# Altium PCB STC16.PcbDoc
Units mil, origin at the board's own origin, x right, y up, seen from the top; angles counter-clockwise.
Board outline 3170 x 2665 mil, 4 copper layers (Top01, GND02, PWR03, Bottom04), stack 23.754 mil thick; 82 components, 84 nets, 349 pads, 132 vias.
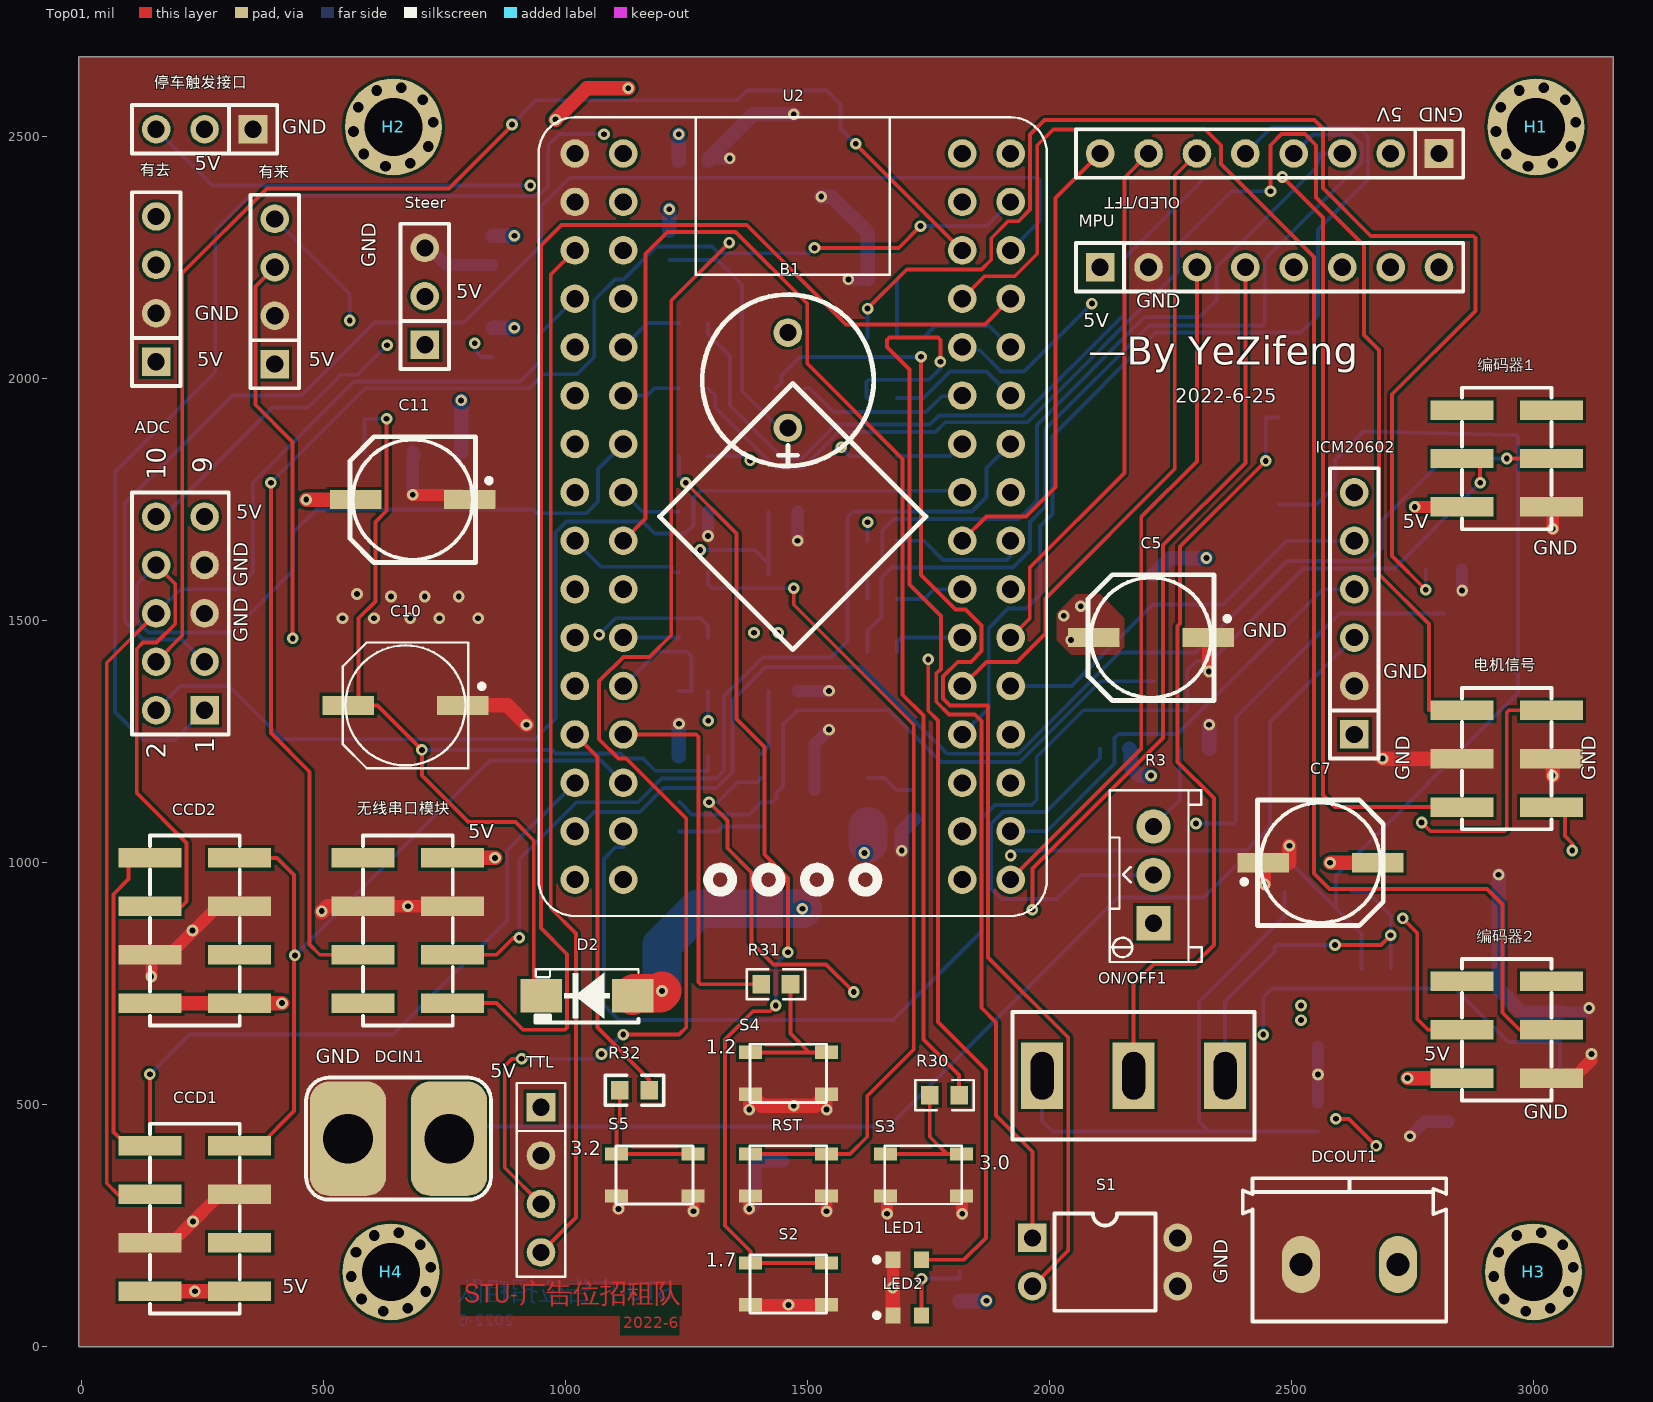
[diagram p0: Top01 view]
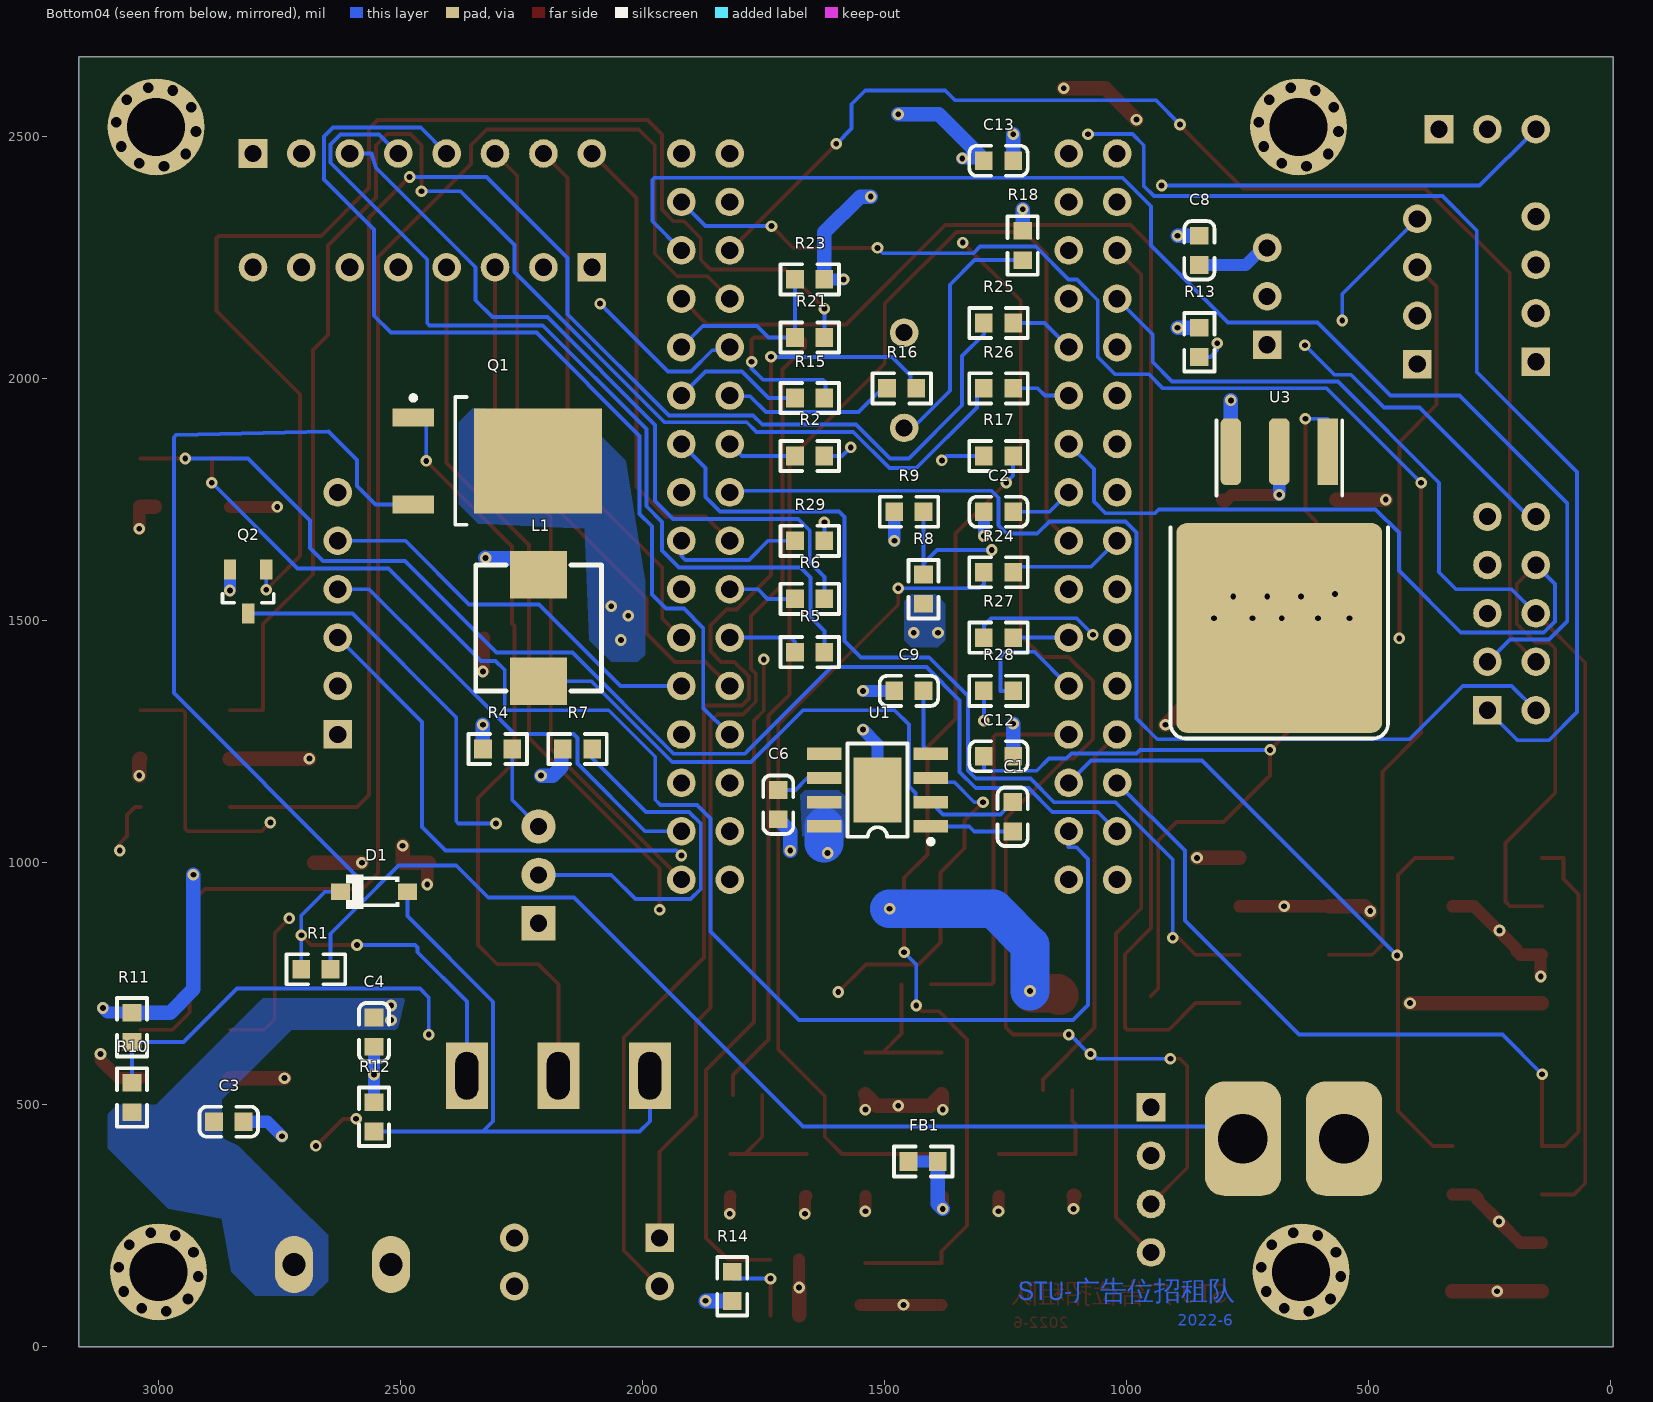
[diagram p1: Bottom04 view, seen from below]
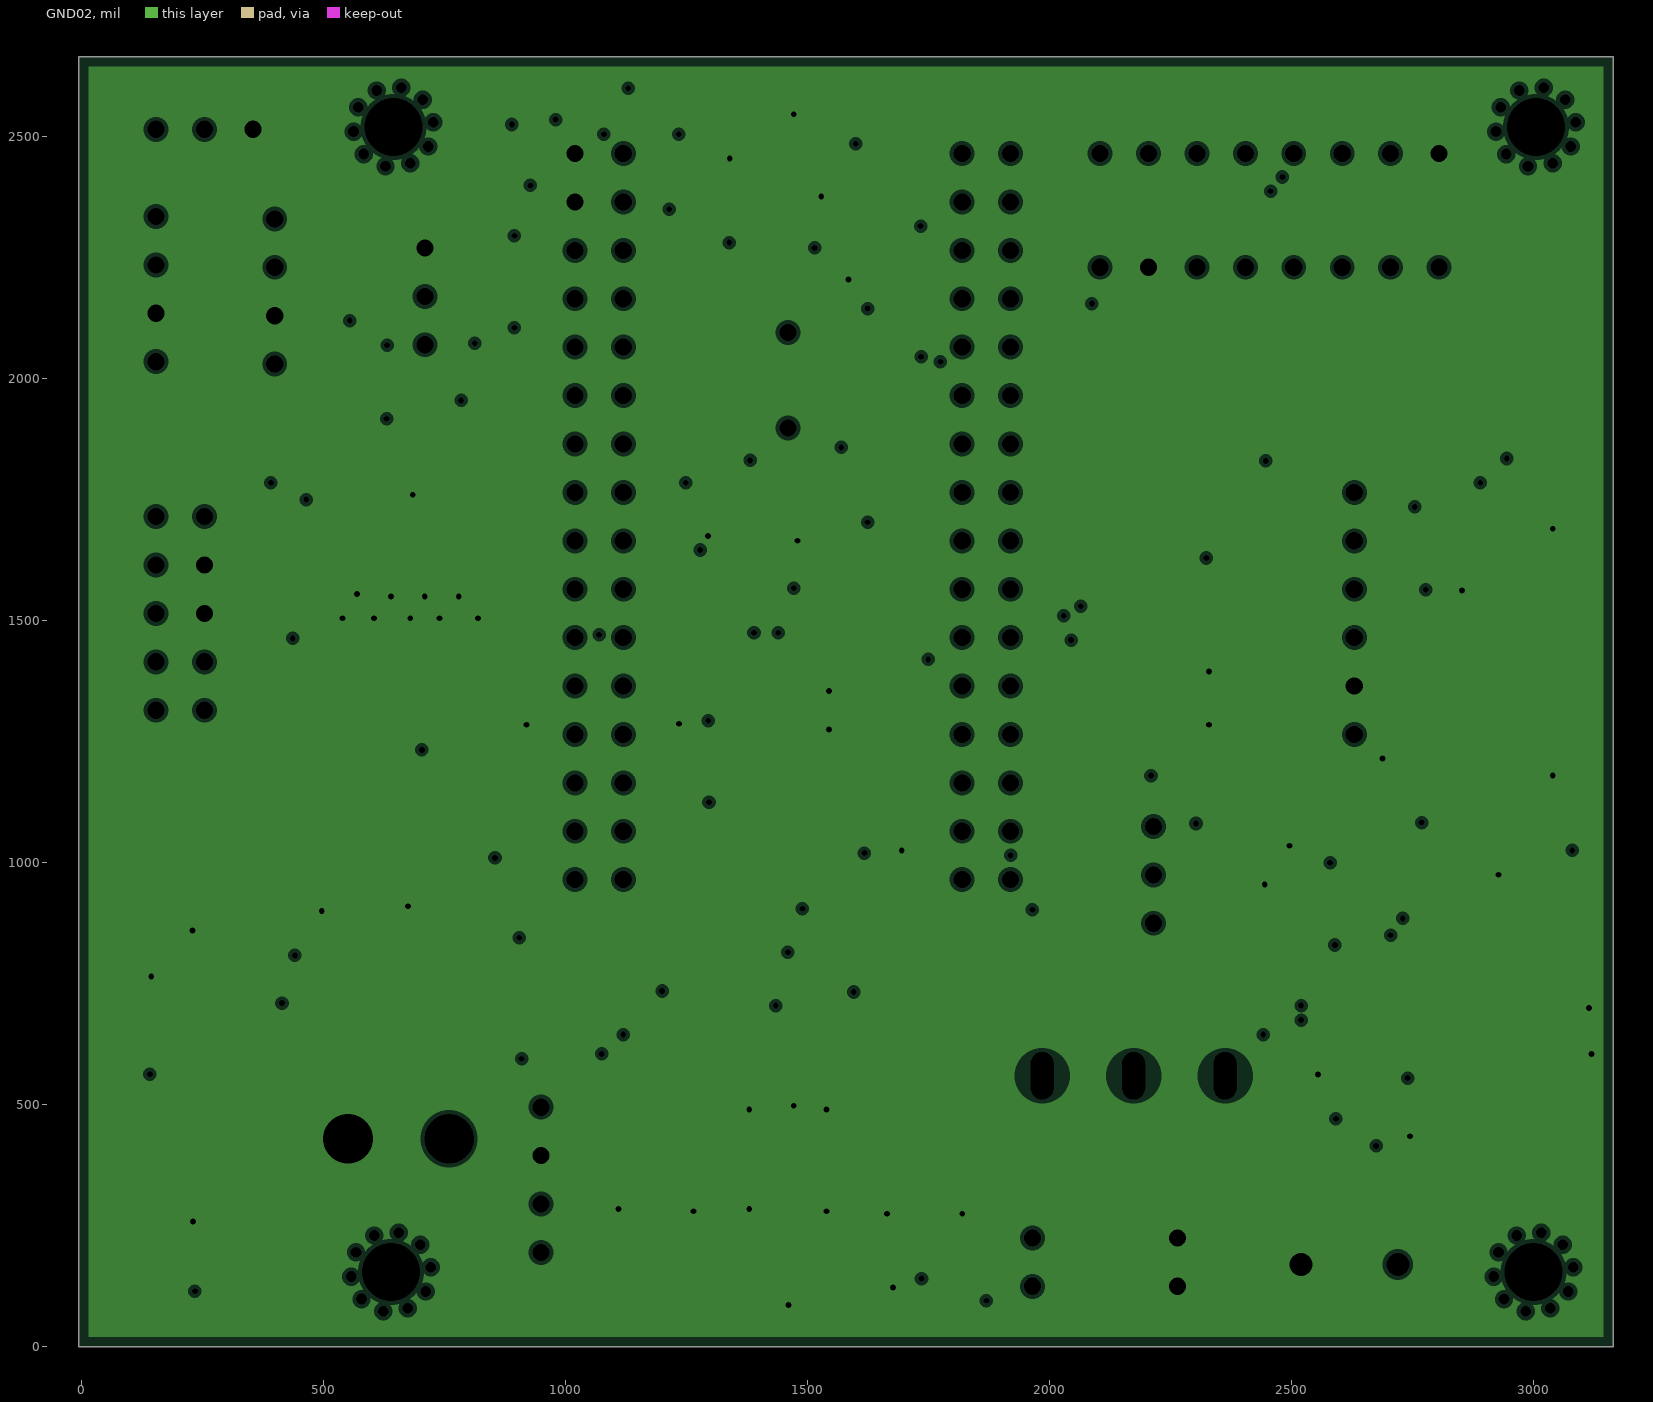
[diagram p2: GND02, clearances drawn from the general rule]
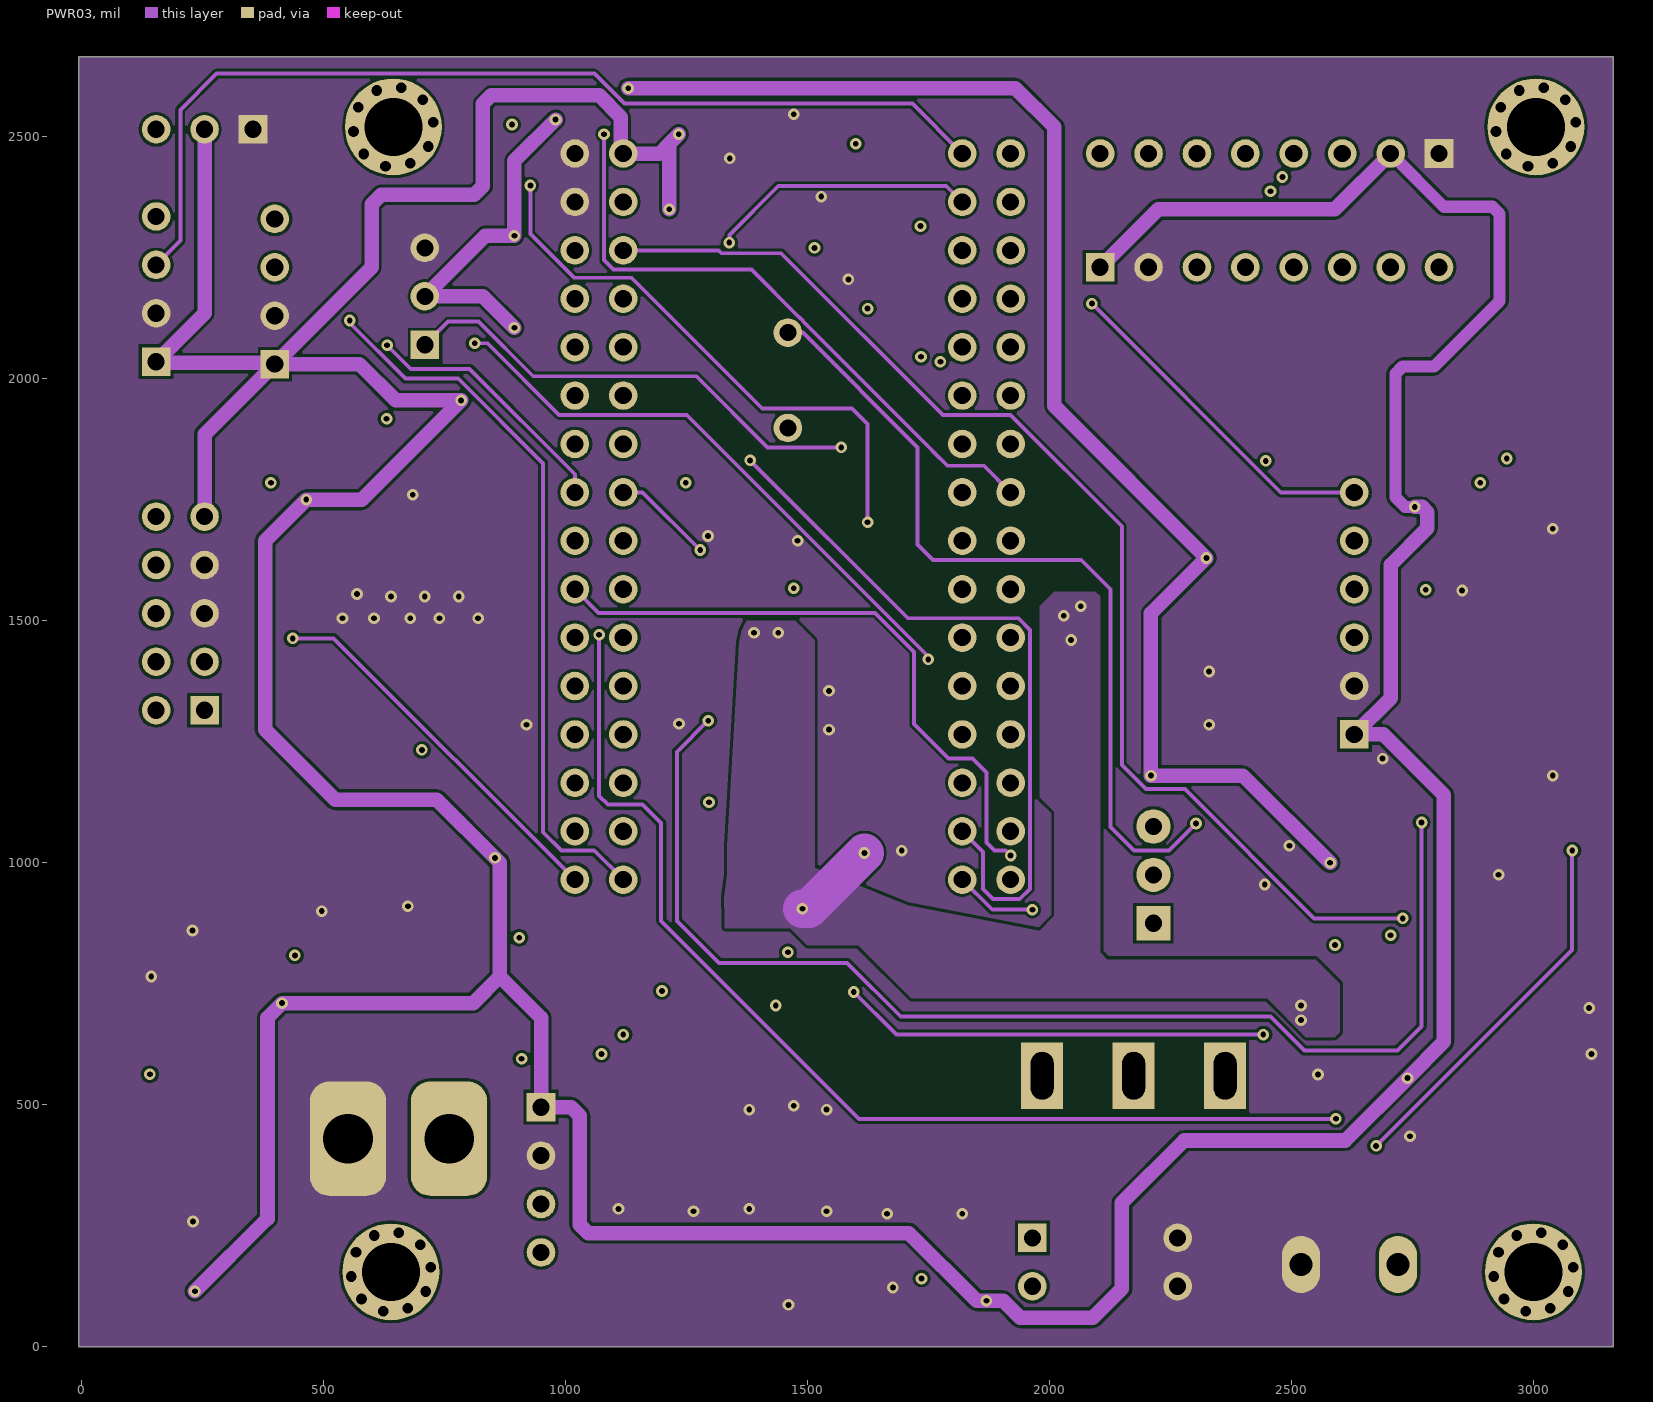
[diagram p3: PWR03]
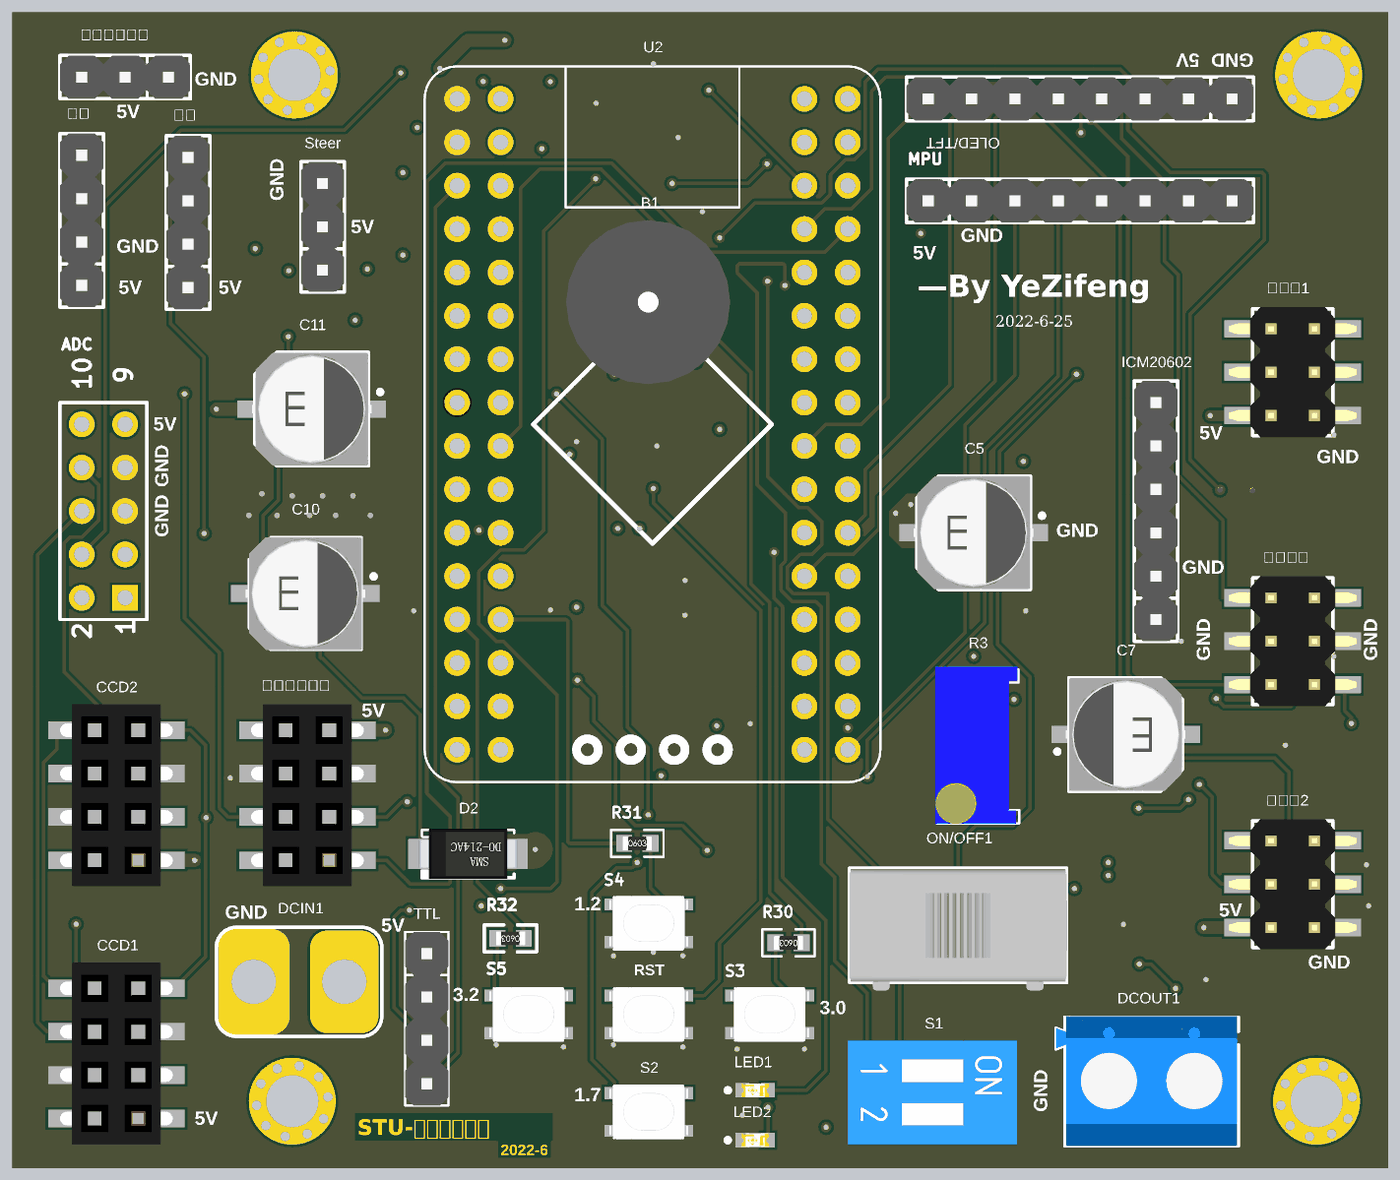
[diagram p4: 3D render of the assembled board from above, using the file's embedded part models]
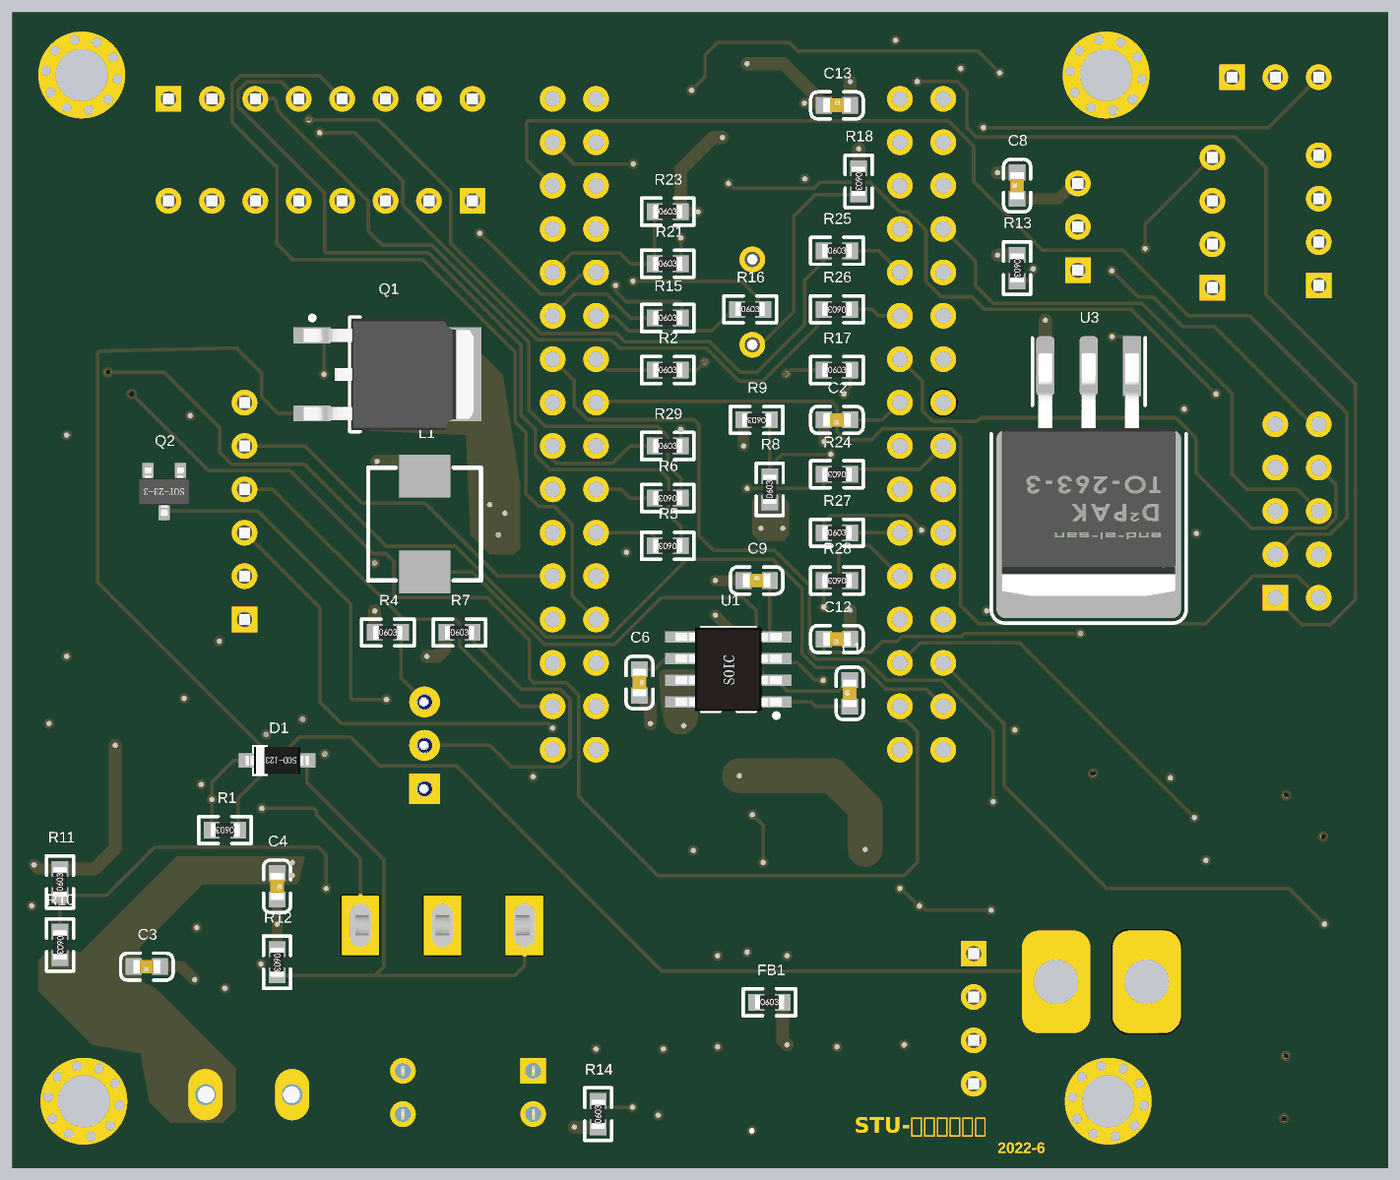
[diagram p5: 3D render of the assembled board from below, using the file's embedded part models]

## Layer stack, top to bottom
Top Solder: solder mask 0.4, Solder Resist, Dk 3.5
Top01: signal copper 1.4
Dielectric 8: prepreg 2.8, PP-006, Dk 4.1
GND02: plane copper 1.378, net GND
Dielectric 1: dielectric 12.5984, FR-4, Dk 4.8
PWR03: signal copper 1.378
Dielectric 7: prepreg 2.8, PP-006, Dk 4.1
Bottom04: signal copper 1.4
Bottom Solder: solder mask 0.4, Solder Resist, Dk 3.5

## Board outline
-5,0 -5,315 -5,2665 3165,2665 3165,2655 3165,0 2620,0 565,0

## Design rules (kind name [scope] priority, off if disabled: settings)
Clearance [All] p1: gap=6 ignorepadtopadclearanceinfootprint=FALSE
PlaneClearance [All] p1: clearance=8
PlaneConnect [All] p1: planeconnectstyle=Direct reliefexpansion=20 reliefentries=4 reliefconductorwidth=10 reliefairgap=10
PolygonConnect [All] p1: connectstyle=Direct reliefconductorwidth=10 reliefentries=4 polygonreliefangle="90 Angle" airgapwidth=10
RoutingVias [All] p1: holewidth=12 width=24 viastyle="Through Hole" minholewidth=12 minwidth=24 maxholewidth=12 maxwidth=24
SilkToSolderMaskClearance [IsPad] p1: minsilkscreentomaskgap=0 clearancetoexposedcopper=TRUE
SolderMaskExpansion [InComponent('No Component')] p1: expansion=4 istentingtop=FALSE useseparateexpansions=TRUE expansionbottom=4 istentingbottom=FALSE
Width BAT [InNetClass('BAT')] p1: maxlimit=80 minlimit=50 preferedwidth=80
Width PWR [InNetClass('PWR')] p2: maxlimit=30 minlimit=25 preferedwidth=30
Width [All] p3: maxlimit=8 minlimit=8 preferedwidth=8
27 further rules are at their usual default settings.

## Classes and differential pairs
net class PWR: GND VCC5V VCCSteer
net class BAT: VCCBAT

## Components (designator, comment, footprint, x,y, rotation, side; value= is the part's Value field where it differs from the comment)
ADC "Header 2X5" HDR2X5 255,1315 r90 top
B1 "BEEP" "BEEP 9x5.5mm" 1460,1996.58 r90 top
C1 "100nF ±10% 50V" 0603_C 1235.67,1095 r90 bottom value=100nF
C2 "100nF ±10% 50V" 0603_C 1265,1725 r0 bottom value=100nF
C3 "100nF ±10% 50V" 0603_C 2855,465 r0 bottom value=100nF
C4 "10uF ±10% 50V" 0603_C 2555,650 r270 bottom value=10uF
C5 "100uF 25V" CAPS6.3 2210,1465 r0 top value=100uF
C6 "1uF ±10% 50V" 0603_C 1720,1120 r270 bottom value=1uF
C7 "220uF 16V" CAPS6.3 2560,1000 r180 top value=220uF
C8 "100nF ±10% 50V" 0603_C 850,2265 r90 bottom value=100nF
C9 "10uF ±10% 50V" 0603_C 1450,1355 r180 bottom value=10uF
C10 "100uF 25V" CAPS6.3 670,1325 r0 top value=100uF
C11 "220uF 16V" CAPS6.3 685,1750 r0 top value=220uF
C12 "100nF ±10% 50V" 0603_C 1265,1220 r0 bottom value=100nF
C13 "100nF ±10% 50V" 0603_C 1265,2450 r180 bottom value=100nF
CCD1 "Header 4X2" Female-Header-2.54-SMD-8 235,265 r180 top
CCD2 "Header 4X2" Female-Header-2.54-SMD-8 235,860 r180 top
D1 "BZT52C16" SOD-123-L 2555,940 r0 bottom
D2 "SS54" SMA[DO-214AC] 1045,725 r180 top
DCIN1 "T型插头" "Wired T-Header ThroughHole" 655.67,430 r270 top
DCOUT1 "电机供电接口" "KF/WJ/DG 301-2p-5.0mm" 2620,170 r0 top
FB1 "0R" 0603_R 1420.51,382.96 r180 bottom
H1 "固定孔" 铜柱孔3#1 3005,2520 r0 top
H2 "固定孔" 铜柱孔3#2 645,2520 r0 top
H3 "固定孔" 铜柱孔3#2 3000,154.8 r0 top
H4 "固定孔" 铜柱孔3#2 640,154.8 r0 top
ICM20602 "Header 6" HDR1X6 2630,1265 r90 top
L1 "3.3uH" "0630 TPC 7*7*3" 2215,1485 r270 bottom
LED1 "GREEN" LEDC1608(0603) 1706.48,180 r0 top
LED2 "GREEN" LEDC1608(0603) 1706.48,65 r0 top
MPU "Header 1X8" HDR1X8 2105,2230 r0 top
OLED/TFT "Header 8" HDR1X8 2805,2465 r180 top
ON/OFF1 "SW-SPDT" SS12D10 2174.06,560 r180 top
Q1 "HY19P03" TO-252AA 2345,1830 r180 bottom
Q2 "S8050" SOT-23 2815,1560 r270 bottom
R1 "4.7K ±1%" 0603_R 2675,780 r0 bottom value=4.7K
R2 "1K ±1%" 0603_R 1655,1840 r180 bottom value=1K
R3 "100K" RESPOT3296 2215,875 r90 top
R4 "15K ±1%" 0603_R 2299.69,1235 r180 bottom value=15K
R5 "100R ±1%" 0603_R 1655,1435 r0 bottom value=100R
R6 "100R ±1%" 0603_R 1655,1545 r0 bottom value=100R
R7 "10K ±1%" 0603_R 2134.69,1235 r180 bottom value=10K
R8 "300K ±1%" 0603_R 1420,1565 r90 bottom value=300K
R9 "100K ±1%" 0603_R 1450,1725 r0 bottom value=100K
R10 "10K ±1%" 0603_R 3055,515 r270 bottom value=10K
R11 "10K ±1%" 0603_R 3055,660 r90 bottom value=10K
R12 "1K ±1%" 0603_R 2555,475 r270 bottom value=1K
R13 "10K ±1%" 0603_R 850,2075 r270 bottom value=10K
R14 "4.7K ±1%" 0603_R 1815,125 r90 bottom value=4.7K
R15 "470R ±1%" 0603_R 1655,1960 r180 bottom value=470R
R16 "470R ±1%" 0603_R 1465,1980 r180 bottom value=470R
R17 "470R ±1%" 0603_R 1265,1840 r180 bottom value=470R
R18 "10R ±1%" 0603_R 1215,2275 r270 bottom value=10R
R21 "4.7K ±1%" 0603_R 1655,2085 r180 bottom value=4.7K
R23 "10K ±1%" 0603_R 1655,2205 r180 bottom value=10K
R24 "470R ±1%" 0603_R 1265,1600 r0 bottom value=470R
R25 "100R ±1%" 0603_R 1265,2115 r180 bottom value=100R
R26 "100R ±1%" 0603_R 1265,1980 r0 bottom value=100R
R27 "100R ±1%" 0603_R 1265,1465 r180 bottom value=100R
R28 "100R ±1%" 0603_R 1265,1355 r0 bottom value=100R
R29 "100R ±1%" 0603_R 1655,1665 r180 bottom value=100R
R30 "470R ±1%" 0603_R 1783.43,520 r180 top value=470R
R31 "470R ±1%" 0603_R 1435,749.02 r0 top value=470R
R32 "470R ±1%" 0603_R 1143.01,530 r180 top value=470R
RST "Button" PTS810-3*4-CurvePin 1461.26,355 r0 top
S1 "SW DIP-2" DIP4 2115,175 r270 top
S2 "Button" PTS810-3*4-CurvePin 1461.26,130 r0 top
S3 "Button" PTS810-3*4-CurvePin 1740,355 r0 top
S4 "Button" PTS810-3*4-CurvePin 1461.26,565 r0 top
S5 "Button" PTS810-3*4-CurvePin 1185,355 r0 top
Steer "Header 3" HDR1X3 710,2070 r90 top
TTL "Header 4" HDR1X4 950,495 r270 top
U1 "SY8205FCC" SOP-8E 1515,1150 r0 bottom
U2 "STC16F40K128_CoreBoard" STC16F40K128_CoreBoard 1470,1715 r0 top
U3 "SPX2940-5.0" TO-263-3 685,1667.01 r0 bottom
停车触发接口 "Header 3" HDR1X3 355,2515 r180 top
无线串口模块 "Header 4X2" Female-Header-2.54-SMD-8 675,860 r180 top
有去 "Header 4" HDR1X4 155,2035 r90 top
有来 "Header 4" HDR1X4 400,2030 r90 top
电机信号 "Header 3X2" HDR2X3-M-SMT 2945,1215 r180 top
编码器1 "Header 3X2" HDR2X3-M-SMT 2945,1835 r0 top
编码器2 "Header 3X2" HDR2X3-M-SMT 2945,655 r0 top
